# KiCad board hellen72_NB2.kicad_pcb
title: Hellen72_NB2; date: 2020-08-21; rev: b
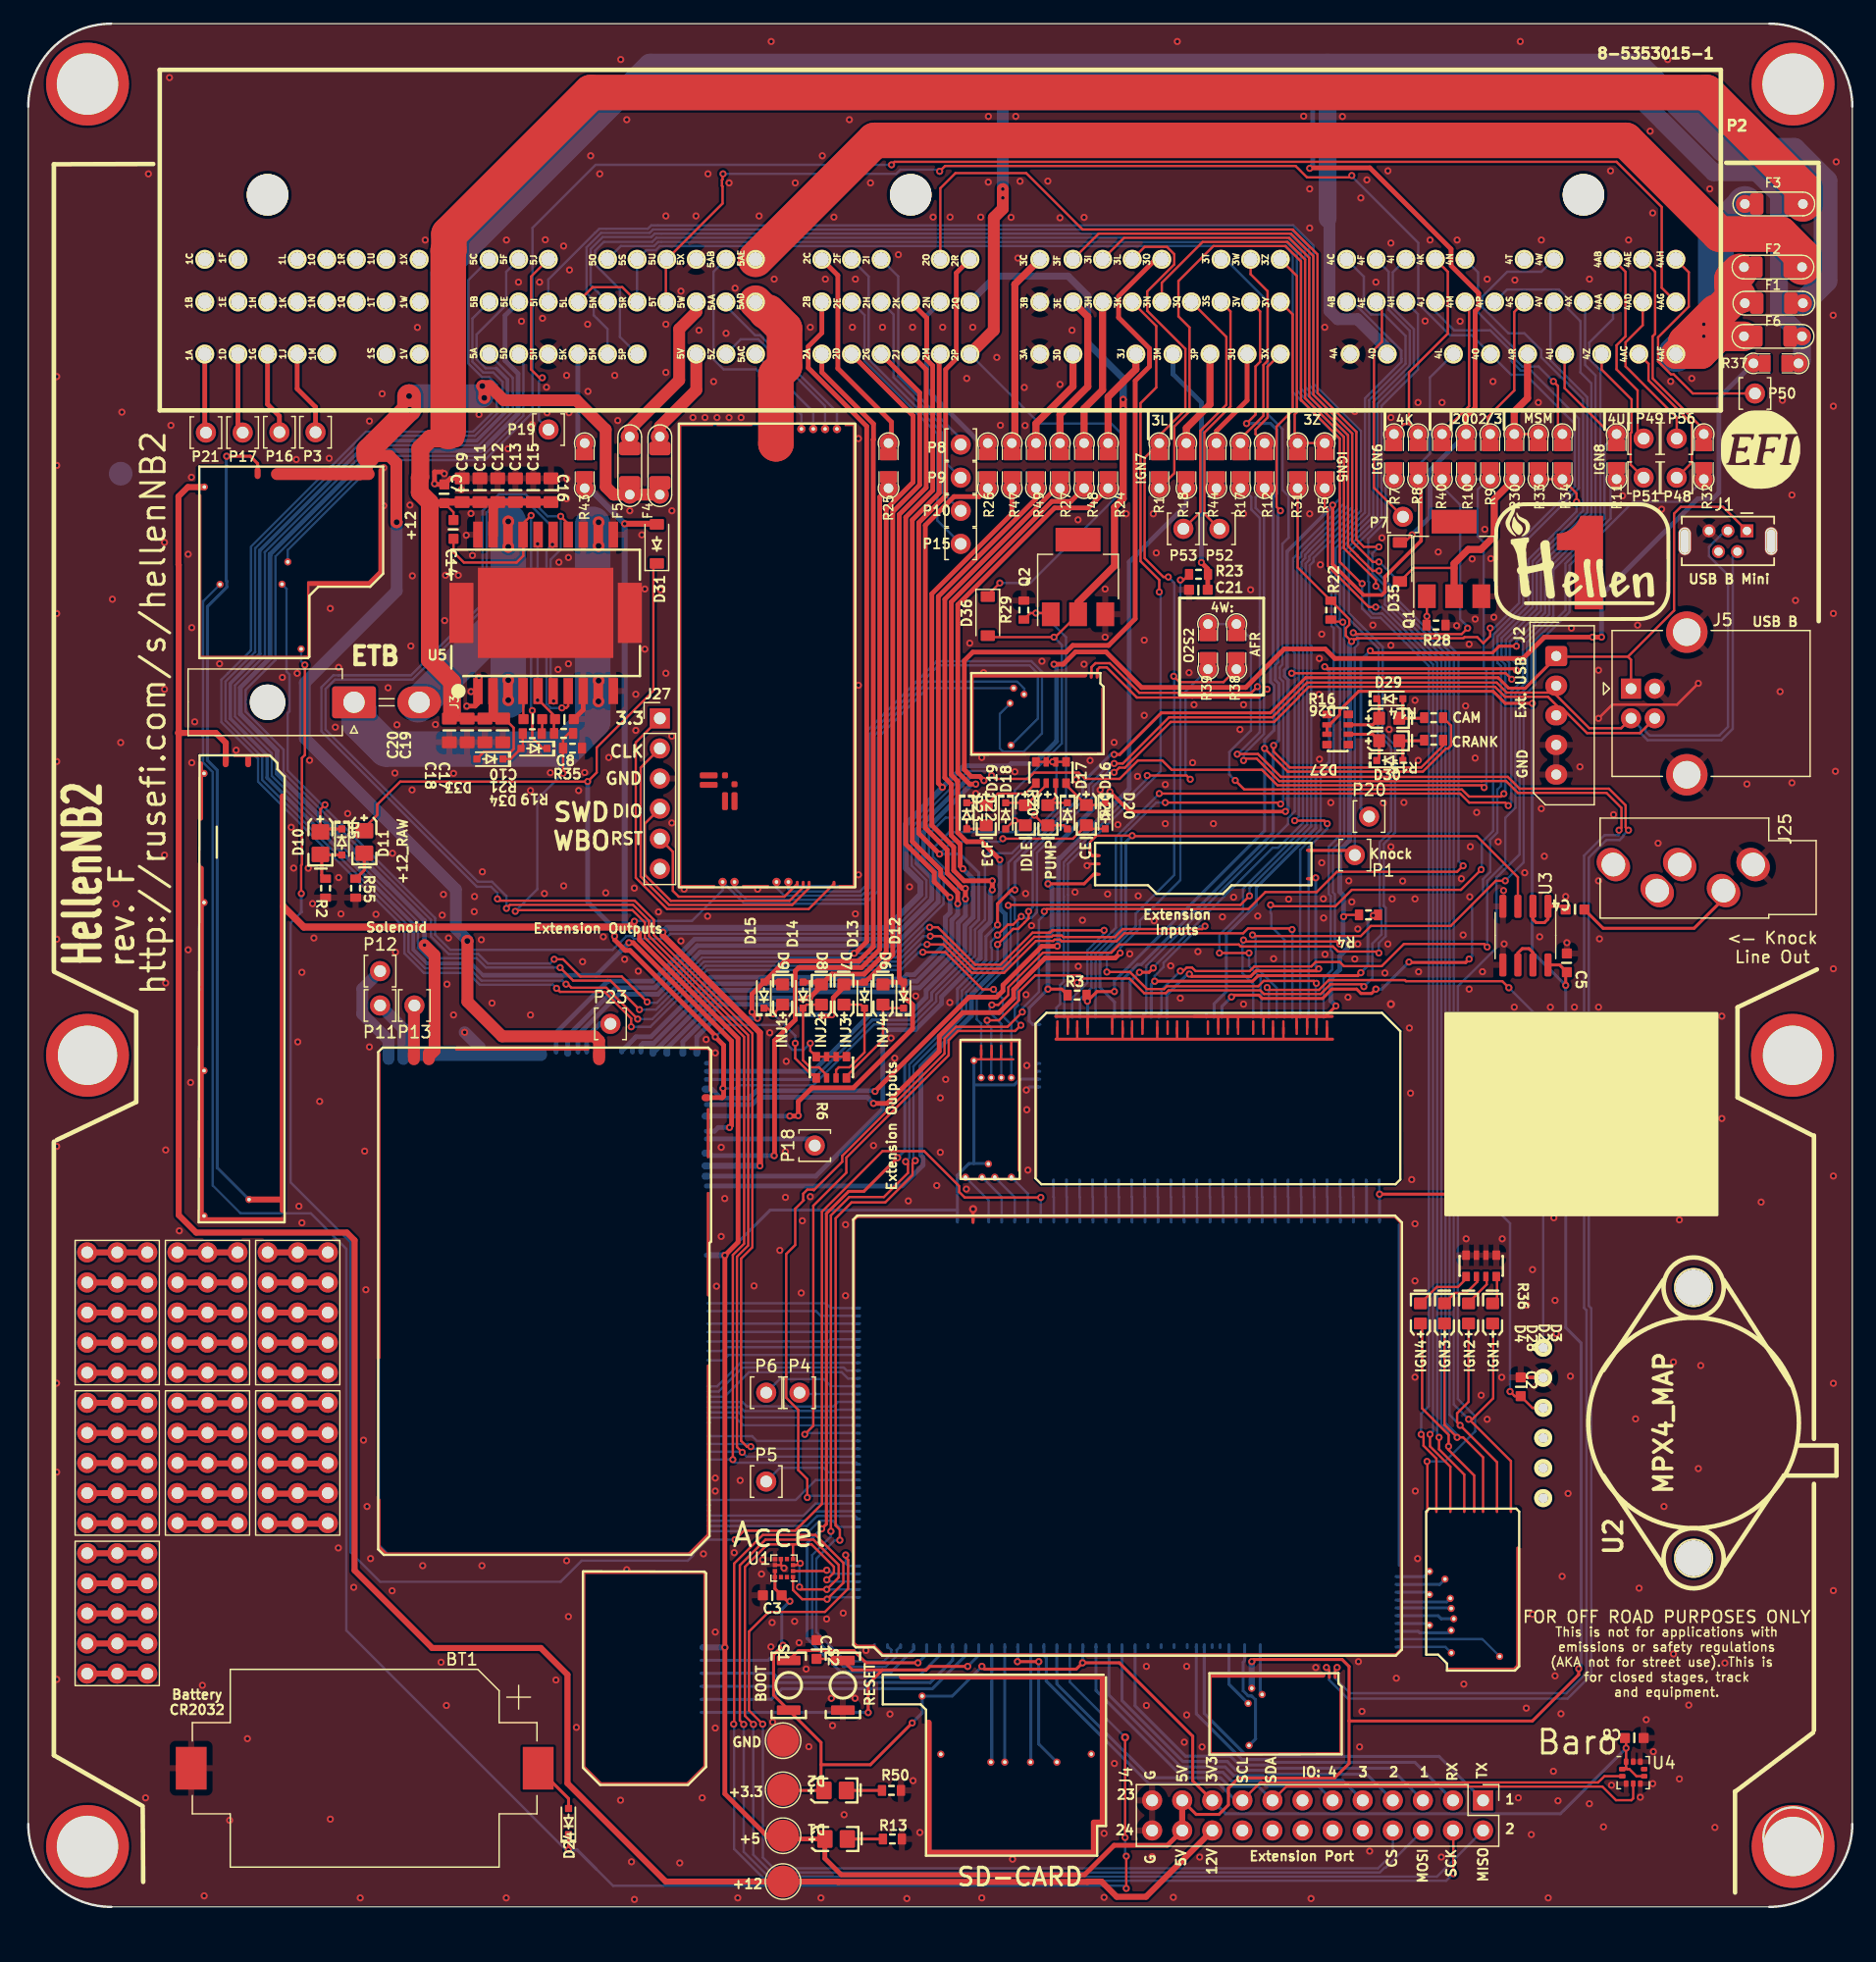
[diagram p0: board, top side]
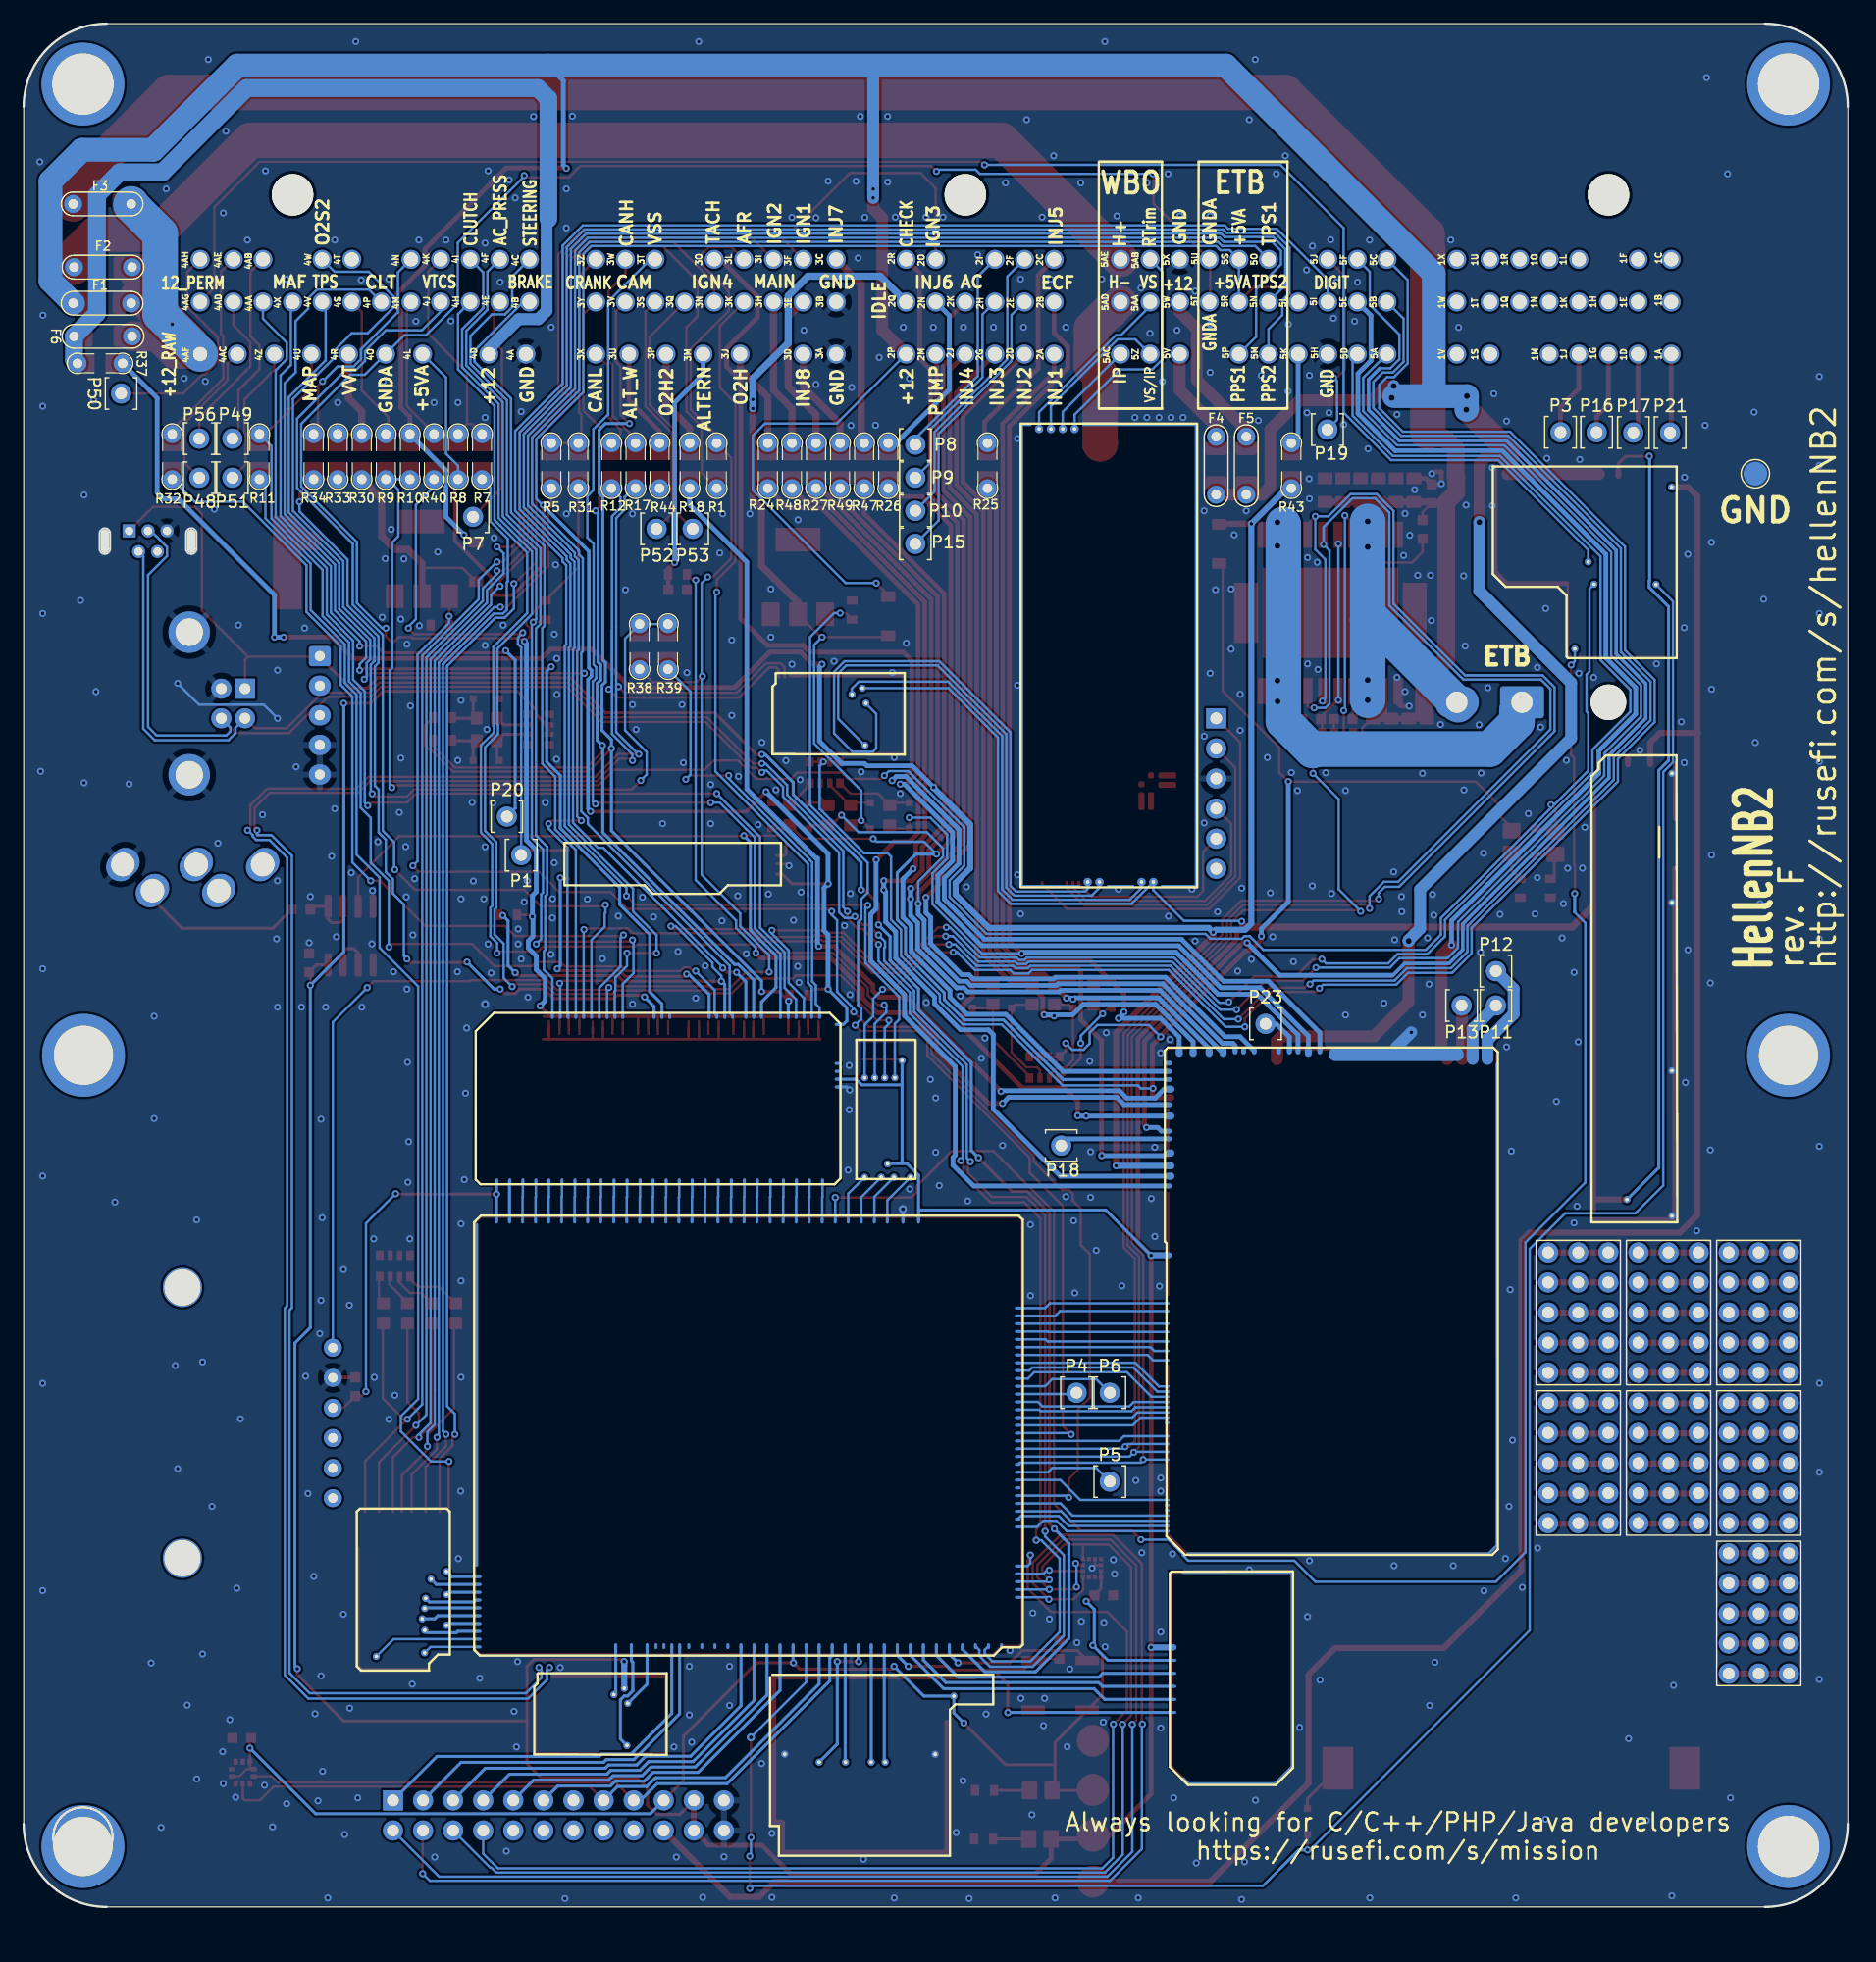
[diagram p1: board, bottom side, seen from below]

Outline 154 x 159 mm; copper layers: Top, Bottom. Coordinates in mm from the lower left corner of the outline.
Outline path: circle c5,153.9 r2.5 ; circle c5,5.1 r2.5 ; circle c148.95,71.9 r2.25 ; circle c149,153.9 r2.5 ; circle c149,5.9 r2.5 ; 0,152 0,7 arc(2.05,2.05) 7,0 147,0 arc(151.95,2.05) 154,7 154,152 arc(151.95,156.95) 147,159 7,159 arc(2.05,156.95) 0,152
Stack: Top 0.035mm / dielectric 1.51mm FR4 er 4.5 / Bottom 0.035mm

## Placement (name value [footprint] x y rotation side)
BT1  BATTERY_CR2032  [BatteryHolder_Keystone_1060_1x2032]  28.4 11.71 180 top
C1  100n  [C0603]  66.55 21.73 270 top
C2  100n  [C0603]  126 43.91 270 top
C3  100n  [C0603]  62.81 26.31 0 top
C4  10u  [C0603]  130.59 84.21 180 top
C5  100n  [C0603]  129.9 79.71 270 top
C6  100n  [C0603]  135.59 14.26 180 top
C7  100n  [C0603]  35.13 119.31 270 top
C8  6.8n  [C0603]  45.27 100.28 0 top
C9  10u  [C0805]  36.63 119.61 90 top
C10  10n  [C0603]  42.6 100.28 180 top
C11  10u  [C0805]  38.13 119.61 90 top
C12  10u  [C0805]  39.63 119.61 90 top
C13  10u  [C0805]  41.13 119.61 90 top
C14  220n  [C0603]  35.9 116.3 270 top
C15  10u  [C0805]  42.63 119.61 90 top
C16  10u  [C0805]  44.13 119.61 270 top
C17  10u  [C0805]  40.05 99.33 270 top
C18  10u  [C0805]  38.55 99.33 270 top
C19  10u  [C0805]  37.05 99.33 90 top
C20  10u  [C0805]  35.55 99.33 90 top
C21  100n  [C0603]  98.79 111.21 0 top
D1  LED-GREEN-0805  [LED-0805]  68.21 5.73 180 top
D2  LED-GREEN-0805  [LED-0805]  68.13 9.83 180 top
D3  LED-BLUE-0603  [LED-0603]  123.68 50.06 270 top
D4  LED-BLUE-0603  [LED-0603]  117.59 50.06 270 top
D5  1N4148WS  [SOD-323]  26.48 89.91 270 top
D6  LED-RED-0603  [LED-0603]  72.21 76.98 270 top
D7  LED-RED-0603  [LED-0603]  68.91 76.98 270 top
D8  LED-RED-0603  [LED-0603]  67.01 76.98 270 top
D9  LED-RED-0603  [LED-0603]  63.74 76.98 270 top
D10  LED-GREEN-0805  [LED-0805]  24.66 89.81 90 top
D11  LED-GREEN-0805  [LED-0805]  28.38 89.91 90 top
D12  1N4148WS  [SOD-323]  73.9 76.98 90 top
D13  1N4148WS  [SOD-323]  70.6 76.98 90 top
D14  1N4148WS  [SOD-323]  65.41 76.98 90 top
D15  1N4148WS  [SOD-323]  62.11 76.98 90 top
D16  LED-WHITE-0603  [LED-0603]  89.28 92.23 90 top
D17  LED-WHITE-0603  [LED-0603]  86.03 92.22 90 top
D18  LED-WHITE-0603  [LED-0603]  84.13 92.22 90 top
D19  LED-WHITE-0603  [LED-0603]  80.83 92.22 90 top
D20  1N4148WS  [SOD-323]  90.93 92.12 270 top
D21  1N4148WS  [SOD-323]  87.73 92.12 270 top
D22  1N4148WS  [SOD-323]  82.52 92.12 270 top
D23  1N4148WS  [SOD-323]  79.23 92.12 270 top
D24  1N4148WS  [SOD-323]  45.61 7.21 90 top
D25  LED-BLUE-0603  [LED-0603]  121.65 50.06 270 top
D26  LED-WHITE-0603  [LED-0603]  114.85 100.31 180 top
D27  LED-WHITE-0603  [LED-0603]  114.85 98.41 180 top
D28  LED-BLUE-0603  [LED-0603]  119.62 50.06 270 top
D29  1N4148WS  [SOD-323]  114.95 102.01 0 top
D30  1N4148WS  [SOD-323]  114.95 96.79 0 top
D31  B5819W  [SOD-123]  53.07 115.08 90 top
D33  1N4148WS  [SOD-323]  38.98 96.92 180 top
D34  1N4148WS  [SOD-323]  42.7 97.81 180 top
D35  B5819W  [SOD-123]  115.81 113.56 270 top
D36  B5819W  [SOD-123]  81.01 108.98 270 top
F1  Fuse-Pad-Pad  [PAD-1206-PAD]  147.38 135.4 0 top
F2  Fuse-Pad-Pad  [PAD-1206-PAD]  147.3 138.45 180 top
F3  Fuse-Pad-Pad  [PAD-1206-PAD]  147.38 143.78 0 top
F4  Fuse-Pad-Pad  [PAD-1206-PAD]  53.32 121.68 270 top
F5  Fuse-Pad-Pad  [PAD-1206-PAD]  50.78 121.68 270 top
F6  Fuse-Pad-Pad  [PAD-1206-PAD]  147.3 132.61 180 top
G1  -  [LOGO]  146.25 123.01 0 top
G2  DISCLAIMER  [Off_Road_Disclaimer]  145.51 108.19 90 top
G3  -  [LOGO]  131.5 113.51 0 top
G4  -  [PROTO_AREA]  20.21 45.1 90 top
G5  -  [PROTO_AREA]  4.97 32.4 90 top
G6  -  [PROTO_AREA]  4.97 45.1 90 top
G7  -  [PROTO_AREA]  20.21 32.4 90 top
G9  -  [PROTO_AREA]  4.97 19.7 90 top
G11  -  [PROTO_AREA]  12.59 45.1 90 top
G12  -  [PROTO_AREA]  12.59 32.4 90 top
J1  USB_B_Mini  [USB-MINI-B-VERTICAL]  143.5 115.31 180 top
J2  Conn_01x05_Male  [Molex_SPOX_5267-05A_1x05_P2.50mm_Vertical]  129 105.61 270 top
J3  MiniFit  [Molex-39301020]  27.5 101.71 90 top
J4  Conn_02x12_Odd_Even  [PinHeader_2x12_P2.54mm_Vertical]  122.82 8.99 270 top
J5  -  [USB_B]  142.08 101.61 0 top
J11  Conn_01x01  [MountingHole_4.5mm_Pad]  5 153.9 0 top
J13  Conn_01x01  [MountingHole_4.5mm_Pad]  5 5.1 0 top
J14  Conn_01x01  [MountingHole_4.5mm_Pad]  149 5.1 0 top
J15  Conn_01x01  [MountingHole_4.5mm_Pad]  148.95 71.9 0 top
J16  Conn_01x01  [MountingHole_4.5mm_Pad]  149 153.9 0 top
J17  Conn_01x01  [MountingHole_4.5mm_Pad]  5 71.9 0 top
J19  Conn_01x01  [TestPoint_Pad_D2.0mm]  63.72 2.14 0 top
J20  Conn_01x01  [TestPoint_Pad_D2.0mm]  63.72 6.01 0 top
J21  Conn_01x01  [TestPoint_Pad_D2.0mm]  63.73 9.88 0 top
J22  Conn_01x01  [TestPoint_Pad_D2.0mm]  63.73 14.03 0 top
J24  Conn_01x01  [TestPoint_Pad_D2.0mm#2]  7.8 121.01 180 bottom
J25  AudioJack3_SwitchTR  [Jack_3.5mm_PJ-3250-5A]  141.83 87.71 270 top
J27  Conn_01x06  [PinHeader_1x06_P2.54mm_Vertical]  53.32 100.35 0 top
M1  Module-input-0.1  [input]  115.94 75.59 180 top
M2  Module-ign8-0.2  [ign8]  125.9 33.72 180 top
M3  Module-mcu-0.6  [mcu]  116.07 58.46 180 top
M4  Module-sd-0.1  [sd]  72.04 4.22 0 top
M5  Module-output-0.3  [output]  57.72 72.66 180 top
M6  Module-dinput4-0.1  [dinput4]  83.83 61.36 90 top
M7  Module-stlink-0.1  [stlink]  57.33 10.19 90 top
M8  Module-can-0.1  [can]  90.89 104.27 180 top
M9  Module-knock-0.1  [knock]  108.44 89.93 180 top
M10  Module-power12-0.2  [power12]  30.06 105.33 90 top
M11  Module-power5-0.2  [power5]  21.74 57.7 90 top
M12  Module-wbo-0.3  [wbo]  69.92 85.98 90 top
M13  Module-can-0.1  [can]  110.99 19.83 180 top
P1  Pad  [PAD-TH]  112 88.81 180 top
P2  -  [8-5353015-1]  14.9 139.11 0 top
P3  Pad  [PAD-TH]  24.25 124.51 0 top
P4  Pad  [PAD-TH]  65.11 43.41 0 top
P5  Pad  [PAD-TH]  62.3 35.91 0 top
P6  Pad  [PAD-TH]  62.3 43.41 0 top
P7  Pad  [PAD-TH]  116.06 117.37 180 top
P8  Pad  [PAD-TH]  78.72 123.46 180 top
P9  Pad  [PAD-TH]  78.72 120.67 180 top
P10  Pad  [PAD-TH]  78.72 117.87 0 top
P11  Pad  [PAD-TH]  29.7 76.11 180 top
P12  Pad  [PAD-TH]  29.7 79.01 0 top
P13  Pad  [PAD-TH]  32.6 76.11 180 top
P15  Pad  [PAD-TH]  78.72 115.08 0 top
P16  Pad  [PAD-TH]  21.2 124.51 0 top
P17  Pad  [PAD-TH]  18.1 124.48 0 top
P18  Pad  [PAD-TH]  66.4 64.28 90 top
P19  Pad  [PAD-TH]  43.93 124.73 0 top
P20  Pad  [PAD-TH]  113.2 92.06 0 top
P21  Pad  [PAD-TH]  15 124.48 0 top
P23  Pad  [PAD-TH]  49.15 74.56 0 top
P48  Pad  [PAD-TH]  139.18 120.67 180 top
P49  Pad  [PAD-TH]  136.38 123.97 180 top
P50  Pad  [PAD-TH]  145.78 127.78 0 top
P51  Pad  [PAD-TH]  136.38 120.67 180 top
P52  Pad  [PAD-TH]  100.57 116.35 180 top
P53  Pad  [PAD-TH]  97.52 116.35 180 top
P56  Pad  [PAD-TH]  139.18 123.97 180 top
Q1  AUIPS2041LTR  [SOT-223]  120.38 113.81 90 top
Q2  AUIPS2041LTR  [SOT-223]  88.63 112.29 90 top
R1  Jumper-Pad-Pad  [PAD-0805-PAD]  95.49 121.68 90 top
R2  5.1k  [R0603]  25.1 86.01 270 top
R3  4.7k  [R0603]  88.55 76.98 0 top
R4  1k  [R0603]  113.15 83.76 180 top
R5  Jumper-Pad-Pad  [PAD-0805-PAD]  109.46 121.68 90 top
R6  4.7k  [R0603-4]  67.8 70.88 270 top
R7  Jumper-Pad-Pad  [PAD-0805-PAD]  115.3 122.45 90 top
R8  Jumper-Pad-Pad  [PAD-0805-PAD]  117.33 122.45 90 top
R9  Jumper-Pad-Pad  [PAD-0805-PAD]  123.43 122.45 90 top
R10  Jumper-Pad-Pad  [PAD-0805-PAD]  121.4 122.45 90 top
R11  Jumper-Pad-Pad  [PAD-0805-PAD]  134.1 122.45 90 top
R12  Jumper-Pad-Pad  [PAD-0805-PAD]  104.38 121.68 270 top
R13  1.6k  [R0603]  72.96 5.73 0 top
R14  0  [R0603]  118.65 100.41 180 top
R15  0  [R0603]  118.65 98.51 180 top
R16  4.7k  [R0603-4]  110.55 99.41 0 top
R17  Jumper-Pad-Pad  [PAD-0805-PAD]  102.35 121.68 270 top
R18  Jumper-Pad-Pad  [PAD-0805-PAD]  97.77 121.68 90 top
R19  10k  [R0603]  45.95 97.83 180 top
R20  20k  [R0603-4]  86.34 95.78 270 top
R21  100  [R0603]  42.55 99.06 180 top
R22  680k  [R0603]  109.97 109.49 90 top
R23  0  [R0603]  98.8 112.51 0 top
R24  Jumper-Pad-Pad  [PAD-0805-PAD]  91.17 121.68 90 top
R25  Jumper-Pad-Pad  [PAD-0805-PAD]  72.63 121.68 90 top
R26  Jumper-Pad-Pad  [PAD-0805-PAD]  81.01 121.68 90 top
R27  Jumper-Pad-Pad  [PAD-0805-PAD]  87.11 121.68 270 top
R28  10k  [R0603]  118.86 108.22 0 top
R29  10k  [R0603]  84.06 109.49 90 top
R30  Jumper-Pad-Pad  [PAD-0805-PAD]  125.46 122.45 90 top
R31  Jumper-Pad-Pad  [PAD-0805-PAD]  107.17 121.68 90 top
R32  Jumper-Pad-Pad  [PAD-0805-PAD]  141.46 122.45 90 top
R33  Jumper-Pad-Pad  [PAD-0805-PAD]  127.49 122.45 90 top
R34  Jumper-Pad-Pad  [PAD-0805-PAD]  129.52 122.45 90 top
R35  100k  [R0603]  45.2 99.08 0 top
R36  470  [R0603-4]  122.67 54.12 270 top
R37  Jumper-Pad-Pad  [PAD-0805-PAD]  147.56 130.32 0 top
R38  Jumper-Pad-Pad  [PAD-0805-PAD]  102 106.41 270 top
R39  Jumper-Pad-Pad  [PAD-0805-PAD]  99.6 106.41 270 top
R40  Jumper-Pad-Pad  [PAD-0805-PAD]  119.36 122.45 90 top
R43  Jumper-Pad-Pad  [PAD-0805-PAD]  46.97 121.68 90 top
R44  Jumper-Pad-Pad  [PAD-0805-PAD]  100.31 121.68 90 top
R47  Jumper-Pad-Pad  [PAD-0805-PAD]  83.04 121.68 90 top
R48  Jumper-Pad-Pad  [PAD-0805-PAD]  89.14 121.68 90 top
R49  Jumper-Pad-Pad  [PAD-0805-PAD]  85.07 121.68 90 top
R50  750  [R0603]  72.88 9.83 0 top
R55  5.1k  [R0603]  27.64 86.01 270 top
S1  Button_SPST  [SMD-2_2.9x3.9x1.7]  64.2 18.71 270 top
S2  Button_SPST  [SMD-2_2.9x3.9x1.7]  68.78 18.71 270 top
U1  LIS2DW12TR  [LGA-12_2x2mm_P0.5mm]  63.8 28.61 180 top
U2  MPX4_MAP  [MPX-4_MAP]  144.41 40.86 270 top
U3  MCP6002-xSN  [SOIC-8_3.9x4.9mm_P1.27mm]  126.4 82.01 270 top
U4  LPS25HB  [ST_HLGA-10_2.5x2.5mm_P0.6mm_LayoutBorder3x2y]  135.5 11.33 0 top
U5  L6205PD  [SO20POWER]  43.68 109.26 0 top

## Library data of the parts
BT1 = -: LCSC: C70377
C1-C3 C5-C7 = -: LCSC: C14663
C4 = -: LCSC: C19702
C8 = -: LCSC: C1631
C9 C11-C13 C15-C20 = -: LCSC: C15850
C10 = -: LCSC: C57112
C14 = -: LCSC: C21120
C21 R1 R5 R7 R10 R11 R33 R37 = -: MyComment: DNP
D1 D2 D10 D11 = -: LCSC: C2297
D3 D4 D25 D28 = -: LCSC: C72041
D5 D12-D15 D20-D24 D29 D30 D33 D34 = -: LCSC: C2128
D6-D9 = -: LCSC: C2286
D16-D19 D26 D27 = -: LCSC: C2290
D31 D35 D36 = -: LCSC: C8598
F1-F6 = -: LCSC: C182446
J1 = -: LCSC: C13453
J3 = -: LCSC: C240832
J5 = -: LCSC: C46392
J25 = -: LCSC: C165947
Q1 Q2 = -: LCSC: C113610
R2 R55 = -: LCSC: C23186
R3 = -: LCSC: C23162
R4 = -: LCSC: C21190
R6 R16 = -: LCSC: C1980
R8 R9 R12 R17 R18 R24-R27 R30-R32 R34 R38-R40 R43 R44 R47-R49 = -: LCSC: C17477
R13 = -: LCSC: C22847
R14 R15 R23 = -: LCSC: C21189
R19 R28 R29 = -: LCSC: C25804
R20 = -: LCSC: C12004
R21 = -: LCSC: C22775
R22 = -: LCSC: C25822
R35 = -: LCSC: C25803
R36 = -: LCSC: C25510
R50 = -: LCSC: C23241
S1 S2 = -: LCSC: C115357
U1 = -: LCSC: C189624
U3 = -: LCSC: C7377
U4 = -: LCSC: C87898
U5 = -: LCSC: C36543

## Footprints (pads in the part's own frame, mm; a bottom-side part is the same pattern mirrored in y, then rotated)
8-5353015-1
  round 3.5 hole 3.5: (5.3,5.45) (59.6,5.45) (116.4,5.45)
  round 1.6 hole 1.2: 1(0,0) 2(2.8,0) 3(7.8,0) 4(10.3,0) 5(12.8,0) 6(15.3,0) 7(18.1,0) 8(24,0) 9(26.5,0) 10(29,0) 11(34,0) 12(36.5,0) 13(39,0) 14(41.5,0) 15(44,0) 16(46.5,0) 17(52.1,0) 18(54.6,0) 19(57.1,0) 20(62.1,0) 21(64.6,0) 22(70.5,0) 23(73.3,0) 24(75.8,0) 25(78.3,0) 26(80.8,0) 27(85.8,0) 28(88.3,0) 29(90.8,0) 30(96.4,0) 31(98.9,0) 32(101.4,0) 33(103.9,0) 34(106.4,0) 35(111.4,0) 36(113.9,0) 37(118.9,0) 38(121.4,0) 39(124.2,0) 40(0,-3.6) 41(2.8,-3.6) 42(5.3,-3.6) 43(7.8,-3.6) 44(10.3,-3.6) 45(12.8,-3.6) 46(15.3,-3.6) 47(18.1,-3.6) 48(24,-3.6) 49(26.5,-3.6) 50(29,-3.6) 51(31.5,-3.6) 52(34,-3.6) 53(36.5,-3.6) 54(39,-3.6) 55(41.5,-3.6) 56(44,-3.6) 57(46.5,-3.6) 58(52.1,-3.6) 59(54.6,-3.6) 60(57.1,-3.6) 61(59.6,-3.6) 62(62.1,-3.6) 63(64.6,-3.6) 64(70.5,-3.6) 65(73.3,-3.6) 66(75.8,-3.6) 67(78.3,-3.6) 68(80.8,-3.6) 69(83.3,-3.6) 70(85.8,-3.6) 71(88.3,-3.6) 72(90.8,-3.6) 73(96.4,-3.6) 74(98.9,-3.6) 75(101.4,-3.6) 76(103.9,-3.6) 77(106.4,-3.6) 78(108.9,-3.6) 79(111.4,-3.6) 80(113.9,-3.6) 81(116.4,-3.6) 82(118.9,-3.6) 83(121.4,-3.6) 84(124.2,-3.6) 85(0,-8) 86(2.8,-8) 87(5.3,-8) 88(7.8,-8) 89(10.3,-8) 90(15.3,-8) 91(18.1,-8) 92(24,-8) 93(26.5,-8) 94(29,-8) 95(31.5,-8) 96(34,-8) 97(36.5,-8) 98(41.5,-8) 99(44,-8) 100(46.5,-8) 101(52.1,-8) 102(54.6,-8) 103(57.1,-8) 104(59.6,-8) 105(62.1,-8) 106(64.6,-8) 107(70.5,-8) 108(73.3,-8) 109(78.61,-8) 110(81.74,-8) 111(84.87,-8) 112(88,-8) 113(90.8,-8) 114(96.7,-8) 115(99.83,-8) 116(105.42,-8) 117(108.55,-8) 118(111.68,-8) 119(114.81,-8) 120(117.94,-8) 121(121.07,-8) 122(124.2,-8)
BatteryHolder_Keystone_1060_1x2032
  rect 2.6x3.6 smd: 1(-14.65,0) 2(14.65,0)
C0603
  rrect 0.85x0.85 smd: 1(-0.79,0) 2(0.79,0)
C0805
  rrect 1x1.25 smd: 1(-1,0) 2(1,0)
can
  oval 0.2x5.67 smd: E1(0.2,4.138)
  oval 11.1x0.2 smd: E1(5.675,6.875)
  oval 9.8x0.4 smd: E1(6.375,0.275)
  oval 0.5x0.25 smd: E1(11,0.275)
  oval 0.2x6.8 smd: E1(11.175,3.538)
  oval 0.25x0.5 smd: S1(0.65,0.325) S2(1.15,0.325)
  round 0.6 hole 0.3: V1(7.7,1.375) V2(6.825,1.9) V5(8,2.65) V6(7.925,6.2)
dinput4
  oval 11.1x0.2 smd: G(6.25,0.2) G(6.26,5.125)
  oval 0.2x5.1 smd: G(11.75,2.65)
  oval 0.95x0.2 smd: J1(10.975,3.375) J2(10.975,2.5) J3(10.975,1.7) J4(10.975,0.825)
  round 0.6 hole 0.3: V1(1.375,2.768) V2(8.65,3.375) V3(8.65,2.525) V4(8.65,1.675) V5(8.65,0.825) V6(10.099,3.986) W1(0.25,0.825) W2(0.25,2.225) W3(0.25,3.3) W4(0.25,4.7)
  oval 0.2x3.5 smd: V6(10.2,2.325)
  oval 0.5x0.25 smd: W1(0.25,0.875) W2(0.25,2.175) W3(0.25,3.35) W4(0.25,4.65)
ign8
  oval 0.25x10.2 smd: G(0.15,8.4)
  oval 0.65x0.25 smd rot 45: G(0.3,13.5)
  oval 5.8x0.25 smd: G(3.263,13.65)
  oval 0.2x0.4 smd: S1(7.775,0.275) S2(7.015,0.275) S3(5.84,0.275) S4(4.665,0.275) S5(3.825,0.275) S6(3.075,0.275) S7(1.9,0.275) S8(0.725,0.275)
  round 0.6 hole 0.3: V1(5.765,10.375) V2(7.6,9.95) V3(5.55,9.4) V4(5.765,8.525) V5(5.84,7.675) V6(7.6,7.35) V7(6.29,6.05) V8(7.6,5.4) V9(1.675,12.575) V10(5.75,12.275)
input
  rrect 0.5x0.25 smd far side: E1(30.65,6.358) E2(30.65,5.698) E3(30.65,5.038) E4(30.65,4.378) E5(30.65,1.078)
  rrect 0.2x13 smd: E1(30.85,7.545)
  rrect 23.6x0.25 smd: J1(17.495,2.325) J2(17.52,0.4)
  rrect 0.2x1.25 smd: J3(6.295,1.35) J4(7.17,1.35) J5(7.97,1.35) J6(8.845,1.35) J7(9.97,1.35) J8(10.845,1.35) J9(11.645,1.35) J10(12.52,1.35) J11(13.795,1.35) J12(14.67,1.35) J13(15.47,1.35) J14(16.345,1.35) J15(18.07,1.35) J16(18.945,1.35) J17(19.745,1.35) J18(20.62,1.35) J19(21.87,1.35) J20(22.745,1.35) J21(23.545,1.35) J22(24.42,1.35) J23(26.5,1.35) J24(27.375,1.35) J25(28.175,1.35) J26(29.05,1.35)
  rrect 0.25x0.5 smd far side: N1(1.88,14.327) N2(2.98,14.327) N3(4.08,14.327) N4(5.18,14.327) N5(6.28,14.327) N6(7.38,14.327) N7(8.48,14.327) N8(9.58,14.327) N9(10.68,14.327) N10(11.78,14.327) N11(12.88,14.327) N12(13.98,14.327) N13(15.08,14.327) N14(16.18,14.327) N15(17.28,14.327) N16(18.38,14.327) N17(19.48,14.327) N18(20.58,14.327) N19(21.68,14.327) N20(22.78,14.327) N21(23.88,14.327) N22(24.98,14.327) N23(26.08,14.327) N24(27.18,14.327) N25(28.28,14.327) N26(29.38,14.327) S1(29.129,0.365) S2(28.469,0.365) S3(27.809,0.365) S4(27.149,0.365) S5(26.489,0.365) S6(25.829,0.365) S7(24.228,0.365) S8(23.568,0.365) S9(22.908,0.365) S10(21.787,0.365) S11(21.127,0.365) S12(20.467,0.365) S13(19.807,0.365) S14(16.481,0.365) S15(15.821,0.365) S16(15.161,0.365) S17(12.515,0.365) S18(11.855,0.365) S19(11.195,0.365) S20(10.535,0.365) S21(9.875,0.365) S22(9.215,0.365) S23(8.555,0.365) S24(7.895,0.365) S25(7.235,0.365) S26(6.575,0.365)
Jack_3.5mm_PJ-3250-5A
  oval 3x2.4 hole 2 rot 45: R(1.9,-4.3) RN(-0.3,-2.4) S(-0.3,3.8) T(1.9,1.3) TN(-0.3,-8)
knock
  oval 0.5x0.25 smd: E1(18.15,2.75) E2(18.15,1.875) E3(18.15,1.175) W1(0.325,0.725) W2(0.325,3.125)
LED-0603
  rrect 1x1.1 smd: 1(0.8,-0.05) 2(-0.9,-0.05)
LED-0805
  rrect 1.3x1.5 smd: 1(0.95,0) 2(-0.95,0)
LGA-12_2x2mm_P0.5mm
  rect 0.375x0.35 smd: 1(-0.762,0.75) 2(-0.762,0.25) 3(-0.762,-0.25) 4(-0.762,-0.75) 7(0.762,-0.75) 8(0.762,-0.25) 9(0.762,0.25) 10(0.762,0.75)
  rect 0.35x0.375 smd: 5(-0.25,-0.762) 6(0.25,-0.762) 11(0.25,0.762) 12(-0.25,0.762)
mcu
  rrect 0.5x0.25 smd far side: E1(46.002,32.325) E2(46.002,31.665) E3(46.002,31.005) E4(46.002,30.345) E5(46.002,29.685) E6(46.002,26.385) E7(46.002,25.725) E8(46.002,25.065) E9(46.002,24.405) E10(46.002,23.745) E11(46.002,23.085) E12(46.002,22.425) E13(46.002,21.765) E14(46.002,21.105) E15(46.002,20.445) E16(46.002,19.785) E17(46.002,19.125) E18(46.002,18.465) E19(46.002,17.805) E20(46.002,17.145) E21(46.002,16.485) E22(46.002,15.825) E23(46.002,15.165) E24(46.002,14.505) E25(46.002,13.845) E26(46.002,13.185) E27(46.002,12.525) E28(46.002,11.865) E29(46.002,11.205) E30(46.002,10.545) E31(46.002,9.885) E32(46.002,9.225) E33(46.002,8.565) E34(46.002,7.905) W1(0.475,30.58) W2(0.475,31.24) W3(0.475,31.9) W4(0.475,32.56) W5(0.475,33.22) W6(0.475,33.88) W7(0.475,34.54) W8(0.475,35.2) W9(0.475,35.86) W10(0.475,36.52)
  rrect 0.25x0.5 smd far side: N1(12.055,36.452) N2(13.375,36.452) N3(14.695,36.452) N4(15.455,36.452) N5(16.12,36.452) N6(16.785,36.452) N7(17.45,36.452) N8(18.225,36.452) N9(19.325,36.452) N10(20.425,36.452) N11(21.525,36.452) N12(22.625,36.452) N13(23.725,36.452) N14(24.825,36.452) N15(25.925,36.452) N16(27.025,36.452) N17(28.125,36.452) N18(29.225,36.452) N19(30.325,36.452) N20(31.425,36.452) N21(32.525,36.452) N22(33.625,36.452) N23(34.725,36.452) N24(35.825,36.452) N25(36.925,36.452) N26(38.025,36.452) N27(39.125,36.452) N28(40.225,36.452) N29(41.325,36.452) N30(42.425,36.452) N31(43.525,36.452) N32(44.625,36.452) S1(37.625,0.523) S2(36.305,0.523) S3(34.985,0.523) S4(33.885,0.523) S5(32.785,0.523) S6(31.685,0.523) S7(30.585,0.523) S8(29.485,0.523) S9(28.385,0.523) S10(27.285,0.523) S11(26.185,0.523) S12(25.085,0.523) S13(23.985,0.523) S14(22.885,0.523) S15(21.785,0.523) S16(20.685,0.523) S17(19.585,0.523) S18(18.485,0.523) S19(17.385,0.523) S20(16.285,0.523) S21(15.185,0.523) S22(14.085,0.523) S23(12.985,0.523) S24(11.885,0.523) S25(10.785,0.523) S26(9.685,0.523) S27(8.585,0.523) S28(7.485,0.523) S29(6.385,0.523) S30(5.285,0.523) S31(4.185,0.523) S32(3.085,0.523) S33(1.985,0.523)
  rrect 0.2x36.19 smd: S2(0.175,18.722)
  rrect 0.2x29 smd far side: S2(0.34,15.24)
  rrect 0.2x0.8 smd rot 135: S2(0.39,36.935)
  rrect 0.2x0.94 smd rot 45: S2(0.438,0.462)
  rrect 43.5x0.2 smd: S2(22.265,37.15)
  rrect 45.6x0.2 smd: S2(23.4,0.2)
  rrect 0.25x0.7 smd: S2(36.305,0.45)
  rrect 0.2x1.2 smd rot 45: S2(44.288,36.788)
  rrect 1.6x0.2 smd: S2(45.375,36.425)
  rrect 0.2x0.58 smd rot 135: S2(46.212,0.338)
  rrect 0.2x0.55 smd rot 45: S2(46.225,36.3)
  rrect 0.2x35.9 smd: S2(46.35,18.325)
Molex-39301020
  round 3 hole 3 unplated: (0,7.3)
  rrect 2.7x3.7 hole 1.8: 1(0,0)
  oval 2.7x3.7 hole 1.8: 2(0,-5.5)
Molex_SPOX_5267-05A_1x05_P2.50mm_Vertical
  rrect 1.7x1.85 hole 0.85: 1(0,0)
  oval 1.7x1.85 hole 0.85: 2(2.5,0) 3(5,0) 4(7.5,0) 5(10,0)
MountingHole_4.5mm_Pad
  round 7 hole 5: 1(0,0)
MPX-4_MAP
  round 3.302 hole 3.048: (-11.43,-3.81) (11.43,-3.81)
  round 1.524 hole 0.813: 1(-6.35,-16.51) 2(-3.81,-16.51) 3(-1.27,-16.51) 4(1.27,-16.51) 5(3.81,-16.51) 6(6.35,-16.51)
output
  oval 0.2x3.6 smd: G(0.175,2.025)
  oval 0.2x0.3 smd rot 45: G(0.245,0.273)
  oval 0.2x4.25 smd: G(0.325,7.335)
  oval 0.2x14.4 smd: G(0.327,34.056)
  oval 0.2x8.825 smd: G(0.327,16.697)
  oval 1.7x0.2 smd: G(1.075,0.2)
  oval 2.43x0.2 smd rot 45: G(1.135,42.031)
  oval 25.7x0.2 smd: G(14.7,42.835)
  oval 25.6x0.2 smd far side: G(14.7,42.825)
  oval 11.325x0.2 smd: G(16.025,0.26)
  oval 0.2x1.2 smd far side rot 45: G(27.745,42.47)
  oval 1x0.2 smd rot 135: G(27.789,42.551)
  oval 0.2x25.85 smd: G(28.075,13.46)
  oval 0.2x4.15 smd: G(28.077,40.271)
  oval 0.2x40.8 smd far side: G(28.1,21.8)
  oval 1x1.5 smd far side: S1(27.302,0.814) S2(26.046,0.814)
  oval 11.4x1.1 smd far side: S3(19.602,0.689)
  oval 1x1.5 smd: S4(25.157,0.839) S5(23.902,0.839) S11(9.527,0.839)
  oval 0.4x0.6 smd far side: S6(13.152,0.389) S8(11.307,0.389) S9(10.577,0.389) S10(9.682,0.389) S12(7.607,0.389) S13(6.707,0.389) S14(5.997,0.389)
  oval 0.6x0.8 smd far side: S7(12.177,0.489) S15(4.977,0.489) S16(3.802,0.489) S17(2.452,0.489) S18(1.277,0.489)
  oval 0.6x0.4 smd far side: W1(0.377,1.419) W2(0.377,2.114) W3(0.377,2.794) W6(0.377,4.919) W8(0.377,7.164) W9(0.377,7.814) W13(0.377,11.789) W14(0.377,17.639)
  oval 0.8x0.6 smd far side: W4(0.472,3.614) W7(0.472,5.889) W10(0.472,9.014) W11(0.472,10.089) W12(0.472,10.964)